# KiCad board q2v2.kicad_pcb (continued)
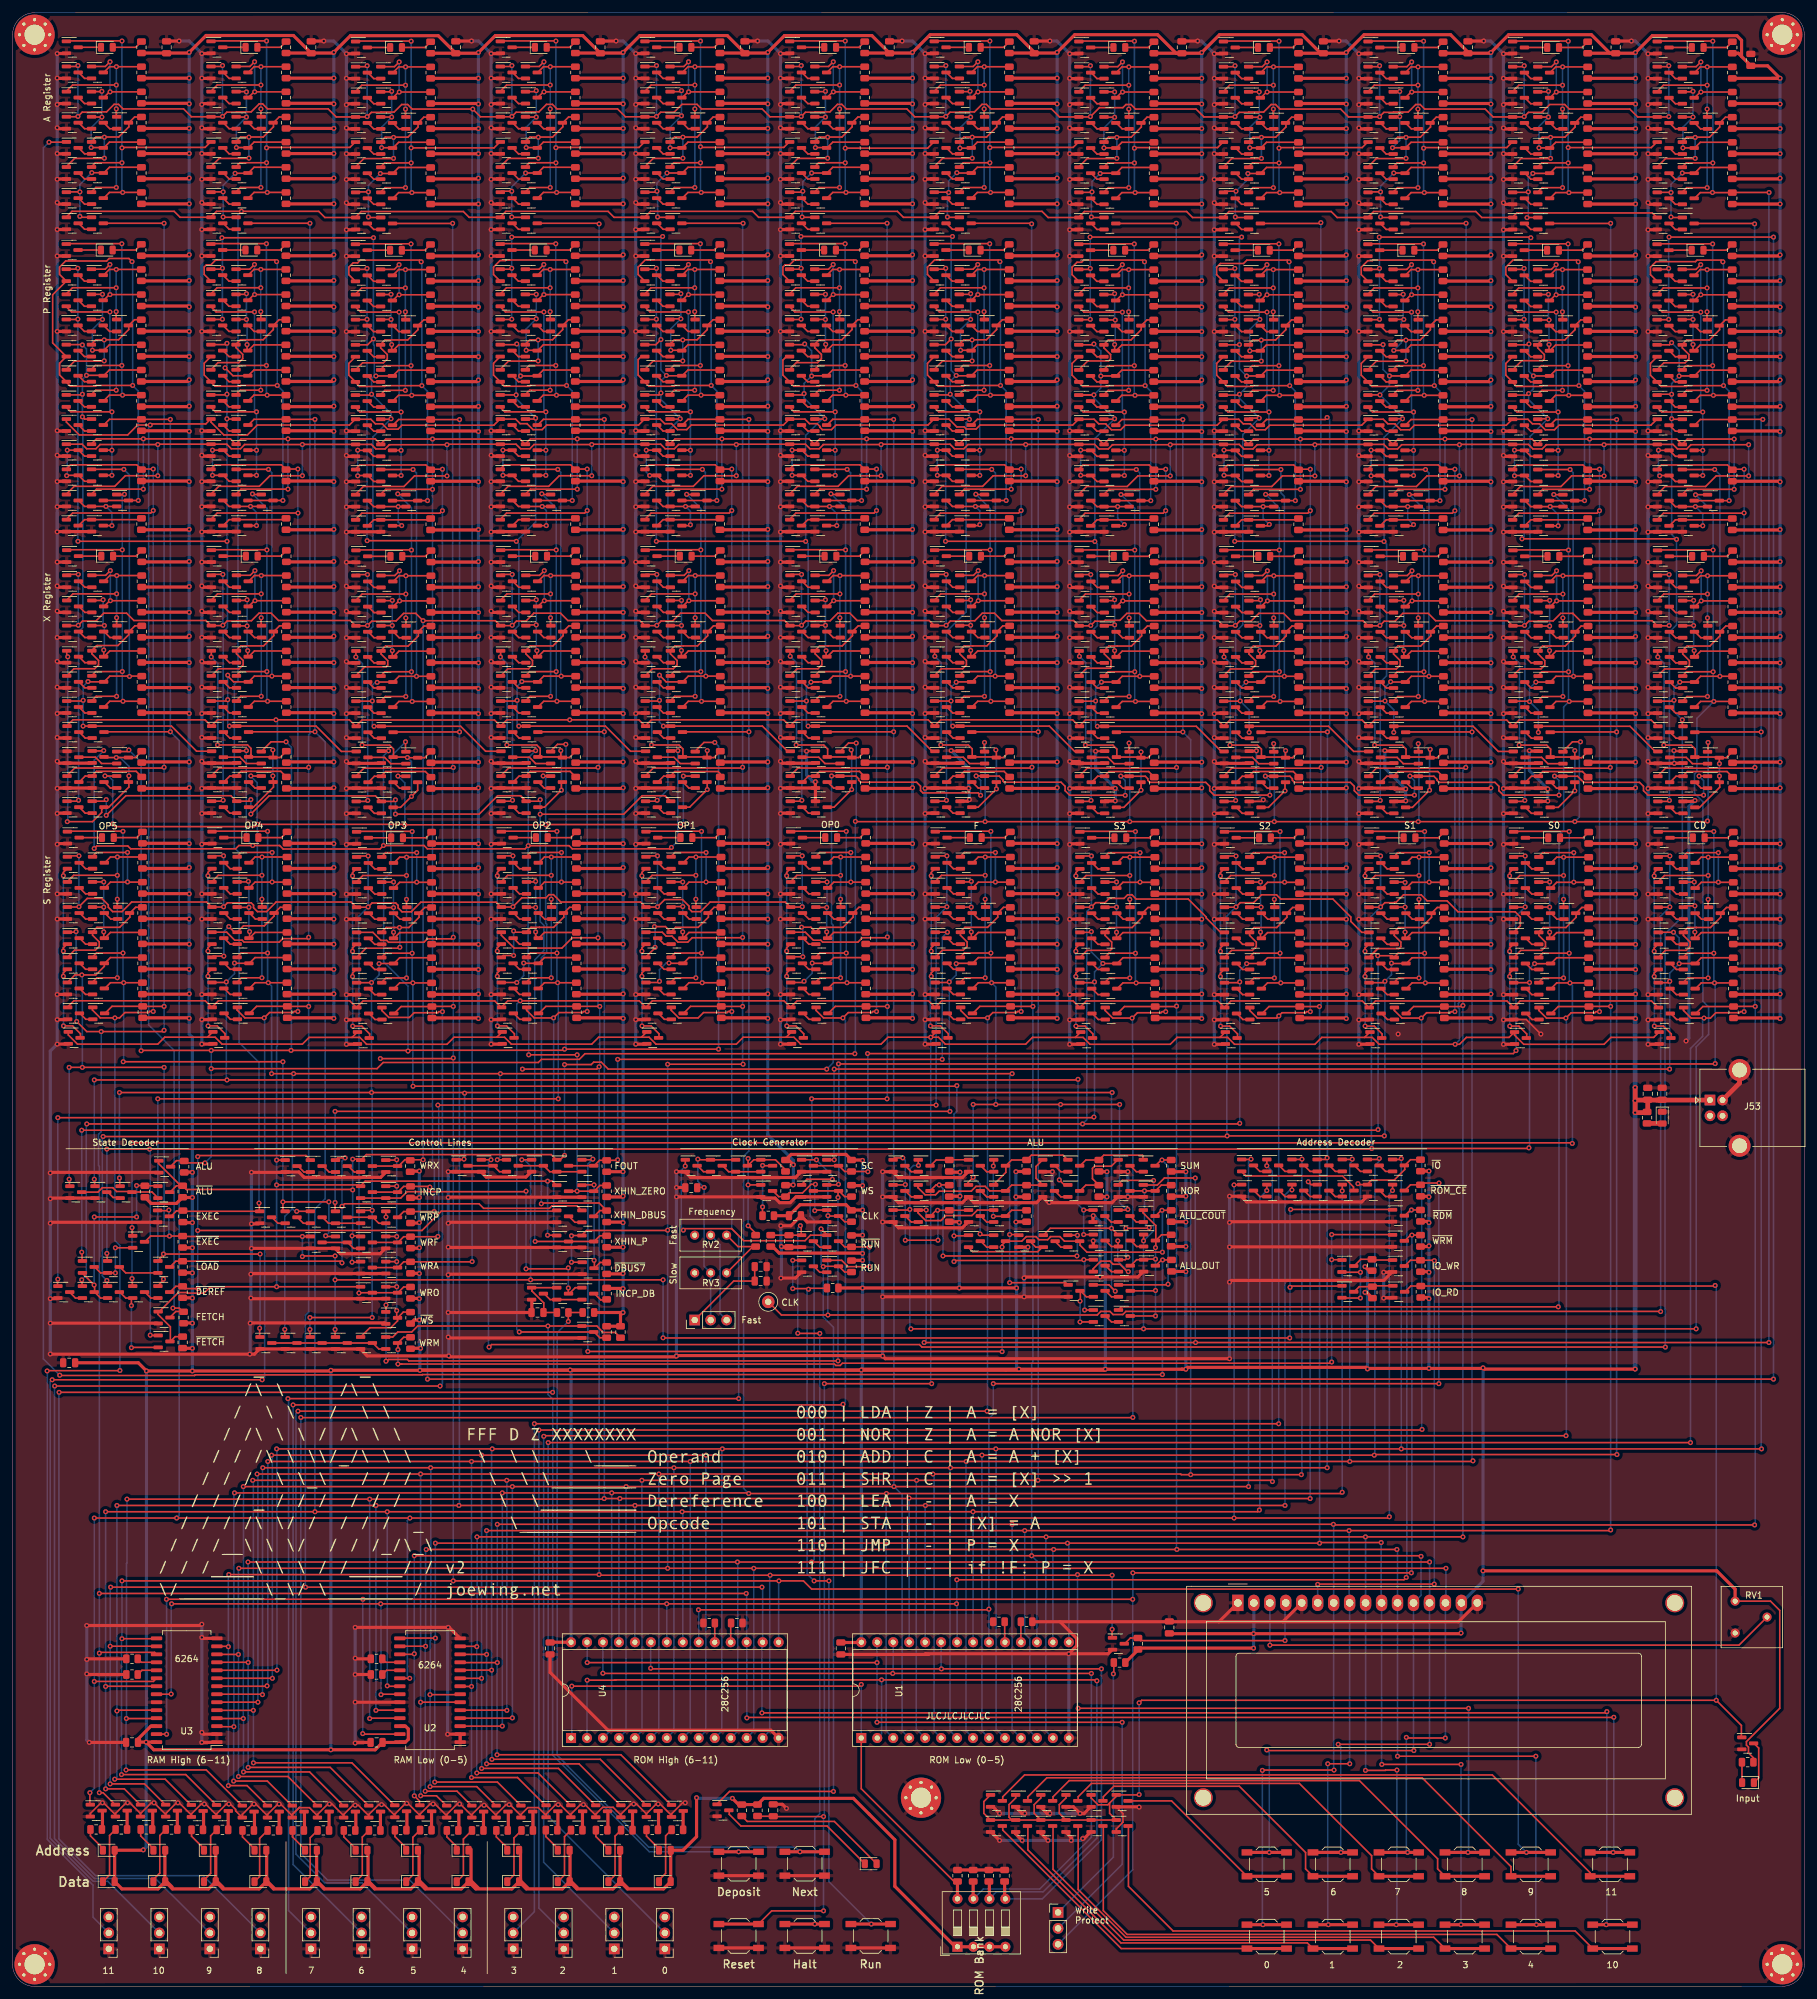
[diagram p0: board, top side]
## Placement (name value [footprint] x y rotation side) (continued)
Q278  2N7002  [SOT-23]  172.85 106.68 0 top
Q279  2N7002  [SOT-23]  161 118.58 0 top
Q280  2N7002  [SOT-23]  172.85 118.68 0 top
Q281  2N7002  [SOT-23]  168.85 110.68 0 top
Q282  2N7002  [SOT-23]  180.8 126.58 0 top
Q283  2N7002  [SOT-23]  176.8 126.58 0 top
Q284  2N7002-2  [SOT-23]  59.7 154.8 0 top
Q285  2N7002-2  [SOT-23]  55.7 154.8 0 top
Q286  2N7002  [SOT-23]  59.5 280.5 0 top
Q287  2N7002  [SOT-23]  55.5 280.5 0 top
Q288  2N7002  [SOT-23]  59.5 284.5 0 top
Q289  2N7002  [SOT-23]  59.5 300.5 0 top
Q290  2N7002  [SOT-23]  55.5 284.5 0 top
Q291  2N7002  [SOT-23]  55.5 300.5 0 top
Q292  2N7002-2  [SOT-23]  55.5 308.5 0 top
Q293  2N7002  [SOT-23]  59.5 288.5 0 top
Q294  2N7002  [SOT-23]  59.5 304.5 0 top
Q295  2N7002  [SOT-23]  55.5 288.5 0 top
Q296  2N7002  [SOT-23]  55.5 304.5 0 top
Q297  2N7002  [SOT-23]  63.5 296.5 0 top
Q298  2N7002  [SOT-23]  59.5 296.5 0 top
Q299  2N7002  [SOT-23]  55.5 296.5 0 top
Q300  2N7002  [SOT-23]  59.5 292.5 0 top
Q301  2N7002  [SOT-23]  55.5 292.5 0 top
Q302  2N7002  [SOT-23]  63.5 191.6 0 top
Q303  2N7002  [SOT-23]  59.6 199.55 0 top
Q304  2N7002  [SOT-23]  59.6 187.6 0 top
Q305  2N7002  [SOT-23]  63.5 195.5 0 top
Q306  2N7002  [SOT-23]  59.6 195.6 0 top
Q307  2N7002  [SOT-23]  59.6 191.6 0 top
Q308  2N7002  [SOT-23]  55.6 199.55 0 top
Q309  2N7002  [SOT-23]  55.6 187.6 0 top
Q310  2N7002  [SOT-23]  55.6 195.55 0 top
Q311  2N7002  [SOT-23]  55.6 191.6 0 top
Q312  2N7002  [SOT-23]  59.55 203.54 0 top
Q313  2N7002  [SOT-23]  59.55 219.54 0 top
Q314  2N7002  [SOT-23]  55.55 203.54 0 top
Q315  2N7002  [SOT-23]  55.55 219.54 0 top
Q316  2N7002-2  [SOT-23]  55.55 227.54 0 top
Q317  2N7002  [SOT-23]  59.55 207.54 0 top
Q318  2N7002  [SOT-23]  59.55 223.54 0 top
Q319  2N7002  [SOT-23]  55.55 207.54 0 top
Q320  2N7002  [SOT-23]  55.55 223.54 0 top
Q321  2N7002  [SOT-23]  63.55 215.54 0 top
Q322  2N7002  [SOT-23]  59.55 215.54 0 top
Q323  2N7002  [SOT-23]  55.55 215.54 0 top
Q324  2N7002  [SOT-23]  59.55 211.54 0 top
Q325  2N7002  [SOT-23]  55.55 211.54 0 top
Q326  2N7002  [SOT-23]  59.5 248.4 0 top
Q327  2N7002  [SOT-23]  55.5 248.4 0 top
Q328  2N7002  [SOT-23]  59.5 244.4 0 top
Q329  2N7002  [SOT-23]  59.5 240.4 0 top
Q330  2N7002  [SOT-23]  59.5 236.4 0 top
Q331  2N7002  [SOT-23]  63.5 236.4 0 top
Q332  2N7002-2  [SOT-23]  55.5 244.4 0 top
Q333  2N7002-2  [SOT-23]  55.5 240.4 0 top
Q334  2N7002-2  [SOT-23]  55.5 236.4 0 top
Q335  2N7002  [SOT-23]  59.5 232.4 0 top
Q336  2N7002-2  [SOT-23]  55.5 232.4 0 top
Q337  2N7002  [SOT-23]  59.48 252.24 0 top
Q338  2N7002  [SOT-23]  59.48 268.24 0 top
Q339  2N7002  [SOT-23]  55.48 252.24 0 top
Q340  2N7002  [SOT-23]  55.48 268.24 0 top
Q341  2N7002-2  [SOT-23]  55.48 276.24 0 top
Q342  2N7002  [SOT-23]  59.48 256.24 0 top
Q343  2N7002  [SOT-23]  59.48 272.24 0 top
Q344  2N7002  [SOT-23]  55.48 256.24 0 top
Q345  2N7002  [SOT-23]  55.48 272.24 0 top
Q346  2N7002  [SOT-23]  63.48 264.24 0 top
Q347  2N7002  [SOT-23]  59.48 264.24 0 top
Q348  2N7002  [SOT-23]  55.48 264.24 0 top
Q349  2N7002  [SOT-23]  59.48 260.24 0 top
Q350  2N7002  [SOT-23]  55.48 260.24 0 top
Q351  2N7002-2  [SOT-23]  124.85 150.92 0 top
Q352  2N7002-2  [SOT-23]  147.85 150.92 0 top
Q353  2N7002  [SOT-23]  59.66 158.76 0 top
Q354  2N7002  [SOT-23]  59.66 174.76 0 top
Q355  2N7002  [SOT-23]  55.66 158.76 0 top
Q356  2N7002  [SOT-23]  55.66 174.76 0 top
Q357  2N7002-2  [SOT-23]  55.66 182.76 0 top
Q358  2N7002  [SOT-23]  59.66 162.76 0 top
Q359  2N7002  [SOT-23]  59.66 178.76 0 top
Q360  2N7002  [SOT-23]  55.66 162.76 0 top
Q361  2N7002  [SOT-23]  55.66 178.76 0 top
Q362  2N7002  [SOT-23]  63.66 170.76 0 top
Q363  2N7002  [SOT-23]  59.66 170.76 0 top
Q364  2N7002  [SOT-23]  55.66 170.76 0 top
Q365  2N7002  [SOT-23]  59.66 166.76 0 top
Q366  2N7002  [SOT-23]  55.66 166.76 0 top
Q367  2N7002-2  [SOT-23]  82.72 154.82 0 top
Q368  2N7002-2  [SOT-23]  78.72 154.82 0 top
Q369  2N7002  [SOT-23]  82.53 280.52 0 top
Q370  2N7002  [SOT-23]  78.53 280.52 0 top
Q371  2N7002  [SOT-23]  82.53 284.52 0 top
Q372  2N7002  [SOT-23]  82.53 300.52 0 top
Q373  2N7002  [SOT-23]  78.53 284.52 0 top
Q374  2N7002  [SOT-23]  78.53 300.52 0 top
Q375  2N7002-2  [SOT-23]  78.53 308.52 0 top
Q376  2N7002  [SOT-23]  82.53 288.52 0 top
Q377  2N7002  [SOT-23]  82.53 304.52 0 top
Q378  2N7002  [SOT-23]  78.53 288.52 0 top
Q379  2N7002  [SOT-23]  78.53 304.52 0 top
Q380  2N7002  [SOT-23]  86.53 296.52 0 top
Q381  2N7002  [SOT-23]  82.53 296.52 0 top
Q382  2N7002  [SOT-23]  78.53 296.52 0 top
Q383  2N7002  [SOT-23]  82.53 292.52 0 top
Q384  2N7002  [SOT-23]  78.53 292.52 0 top
Q385  2N7002  [SOT-23]  86.53 191.62 0 top
Q386  2N7002  [SOT-23]  82.62 199.57 0 top
Q387  2N7002  [SOT-23]  82.63 187.62 0 top
Q388  2N7002  [SOT-23]  86.53 195.52 0 top
Q389  2N7002  [SOT-23]  82.62 195.62 0 top
Q390  2N7002  [SOT-23]  82.63 191.62 0 top
Q391  2N7002  [SOT-23]  78.62 199.57 0 top
Q392  2N7002  [SOT-23]  78.63 187.62 0 top
Q393  2N7002  [SOT-23]  78.63 195.57 0 top
Q394  2N7002  [SOT-23]  78.63 191.62 0 top
Q395  2N7002  [SOT-23]  82.57 203.56 0 top
Q396  2N7002  [SOT-23]  82.57 219.56 0 top
Q397  2N7002  [SOT-23]  78.57 203.56 0 top
Q398  2N7002  [SOT-23]  78.57 219.56 0 top
Q399  2N7002-2  [SOT-23]  78.57 227.56 0 top
Q400  2N7002  [SOT-23]  82.57 207.56 0 top
Q401  2N7002  [SOT-23]  82.57 223.56 0 top
Q402  2N7002  [SOT-23]  78.57 207.56 0 top
Q403  2N7002  [SOT-23]  78.57 223.56 0 top
Q404  2N7002  [SOT-23]  86.57 215.56 0 top
Q405  2N7002  [SOT-23]  82.57 215.56 0 top
Q406  2N7002  [SOT-23]  78.57 215.56 0 top
Q407  2N7002  [SOT-23]  82.57 211.56 0 top
Q408  2N7002  [SOT-23]  78.57 211.56 0 top
Q409  2N7002  [SOT-23]  82.53 248.42 0 top
Q410  2N7002  [SOT-23]  78.53 248.42 0 top
Q411  2N7002  [SOT-23]  82.53 244.42 0 top
Q412  2N7002  [SOT-23]  82.53 240.42 0 top
Q413  2N7002  [SOT-23]  82.53 236.42 0 top
Q414  2N7002  [SOT-23]  86.53 236.42 0 top
Q415  2N7002-2  [SOT-23]  78.53 244.42 0 top
Q416  2N7002-2  [SOT-23]  78.53 240.42 0 top
Q417  2N7002-2  [SOT-23]  78.53 236.42 0 top
Q418  2N7002  [SOT-23]  82.53 232.42 0 top
Q419  2N7002-2  [SOT-23]  78.53 232.42 0 top
Q420  2N7002  [SOT-23]  82.5 252.27 0 top
Q421  2N7002  [SOT-23]  82.5 268.27 0 top
Q422  2N7002  [SOT-23]  78.5 252.27 0 top
Q423  2N7002  [SOT-23]  78.5 268.27 0 top
Q424  2N7002-2  [SOT-23]  78.5 276.27 0 top
Q425  2N7002  [SOT-23]  82.5 256.27 0 top
Q426  2N7002  [SOT-23]  82.5 272.27 0 top
Q427  2N7002  [SOT-23]  78.5 256.27 0 top
Q428  2N7002  [SOT-23]  78.5 272.27 0 top
Q429  2N7002  [SOT-23]  86.5 264.27 0 top
Q430  2N7002  [SOT-23]  82.5 264.27 0 top
Q431  2N7002  [SOT-23]  78.5 264.27 0 top
Q432  2N7002  [SOT-23]  82.5 260.27 0 top
Q433  2N7002  [SOT-23]  78.5 260.27 0 top
Q434  2N7002-2  [SOT-23]  170.85 150.9 0 top
Q435  2N7002-2  [SOT-23]  193.85 150.9 0 top
Q436  2N7002  [SOT-23]  82.69 158.78 0 top
Q437  2N7002  [SOT-23]  82.69 174.78 0 top
Q438  2N7002  [SOT-23]  78.69 158.78 0 top
Q439  2N7002  [SOT-23]  78.69 174.78 0 top
Q440  2N7002-2  [SOT-23]  78.69 182.78 0 top
Q441  2N7002  [SOT-23]  82.69 162.78 0 top
Q442  2N7002  [SOT-23]  82.69 178.78 0 top
Q443  2N7002  [SOT-23]  78.69 162.78 0 top
Q444  2N7002  [SOT-23]  78.69 178.78 0 top
Q445  2N7002  [SOT-23]  86.69 170.78 0 top
Q446  2N7002  [SOT-23]  82.69 170.78 0 top
Q447  2N7002  [SOT-23]  78.69 170.78 0 top
Q448  2N7002  [SOT-23]  82.69 166.78 0 top
Q449  2N7002  [SOT-23]  78.69 166.78 0 top
Q450  2N7002-2  [SOT-23]  105.72 154.82 0 top
Q451  2N7002-2  [SOT-23]  101.72 154.82 0 top
Q452  2N7002  [SOT-23]  105.53 280.52 0 top
Q453  2N7002  [SOT-23]  101.53 280.52 0 top
Q454  2N7002  [SOT-23]  105.53 284.52 0 top
Q455  2N7002  [SOT-23]  105.53 300.52 0 top
Q456  2N7002  [SOT-23]  101.53 284.52 0 top
Q457  2N7002  [SOT-23]  101.53 300.52 0 top
Q458  2N7002-2  [SOT-23]  101.53 308.52 0 top
Q459  2N7002  [SOT-23]  105.53 288.52 0 top
Q460  2N7002  [SOT-23]  105.53 304.52 0 top
Q461  2N7002  [SOT-23]  101.53 288.52 0 top
Q462  2N7002  [SOT-23]  101.53 304.52 0 top
Q463  2N7002  [SOT-23]  109.53 296.52 0 top
Q464  2N7002  [SOT-23]  105.53 296.52 0 top
Q465  2N7002  [SOT-23]  101.53 296.52 0 top
Q466  2N7002  [SOT-23]  105.53 292.52 0 top
Q467  2N7002  [SOT-23]  101.53 292.52 0 top
Q468  2N7002  [SOT-23]  109.53 191.62 0 top
Q469  2N7002  [SOT-23]  105.62 199.57 0 top
Q470  2N7002  [SOT-23]  105.63 187.62 0 top
Q471  2N7002  [SOT-23]  109.53 195.52 0 top
Q472  2N7002  [SOT-23]  105.62 195.62 0 top
Q473  2N7002  [SOT-23]  105.63 191.62 0 top
Q474  2N7002  [SOT-23]  101.62 199.57 0 top
Q475  2N7002  [SOT-23]  101.63 187.62 0 top
Q476  2N7002  [SOT-23]  101.63 195.57 0 top
Q477  2N7002  [SOT-23]  101.63 191.62 0 top
Q478  2N7002  [SOT-23]  105.57 203.56 0 top
Q479  2N7002  [SOT-23]  105.57 219.56 0 top
Q480  2N7002  [SOT-23]  101.57 203.56 0 top
Q481  2N7002  [SOT-23]  101.57 219.56 0 top
Q482  2N7002-2  [SOT-23]  101.57 227.56 0 top
Q483  2N7002  [SOT-23]  105.57 207.56 0 top
Q484  2N7002  [SOT-23]  105.57 223.56 0 top
Q485  2N7002  [SOT-23]  101.57 207.56 0 top
Q486  2N7002  [SOT-23]  101.57 223.56 0 top
Q487  2N7002  [SOT-23]  109.57 215.56 0 top
Q488  2N7002  [SOT-23]  105.57 215.56 0 top
Q489  2N7002  [SOT-23]  101.57 215.56 0 top
Q490  2N7002  [SOT-23]  105.57 211.56 0 top
Q491  2N7002  [SOT-23]  101.57 211.56 0 top
Q492  2N7002  [SOT-23]  105.53 248.42 0 top
Q493  2N7002  [SOT-23]  101.53 248.42 0 top
Q494  2N7002  [SOT-23]  105.53 244.42 0 top
Q495  2N7002  [SOT-23]  105.53 240.42 0 top
Q496  2N7002  [SOT-23]  105.53 236.42 0 top
Q497  2N7002  [SOT-23]  109.53 236.42 0 top
Q498  2N7002-2  [SOT-23]  101.53 244.42 0 top
Q499  2N7002-2  [SOT-23]  101.53 240.42 0 top
Q500  2N7002-2  [SOT-23]  101.53 236.42 0 top
Q501  2N7002  [SOT-23]  105.53 232.42 0 top
Q502  2N7002-2  [SOT-23]  101.53 232.42 0 top
Q503  2N7002  [SOT-23]  105.5 252.27 0 top
Q504  2N7002  [SOT-23]  105.5 268.27 0 top
Q505  2N7002  [SOT-23]  101.5 252.27 0 top
Q506  2N7002  [SOT-23]  101.5 268.27 0 top
Q507  2N7002-2  [SOT-23]  101.5 276.27 0 top
Q508  2N7002  [SOT-23]  105.5 256.27 0 top
Q509  2N7002  [SOT-23]  105.5 272.27 0 top
Q510  2N7002  [SOT-23]  101.5 256.27 0 top
Q511  2N7002  [SOT-23]  101.5 272.27 0 top
Q512  2N7002  [SOT-23]  109.5 264.27 0 top
Q513  2N7002  [SOT-23]  105.5 264.27 0 top
Q514  2N7002  [SOT-23]  101.5 264.27 0 top
Q515  2N7002  [SOT-23]  105.5 260.27 0 top
Q516  2N7002  [SOT-23]  101.5 260.27 0 top
Q517  2N7002-2  [SOT-23]  216.85 150.9 0 top
Q518  2N7002-2  [SOT-23]  239.85 150.9 0 top
Q519  2N7002  [SOT-23]  105.69 158.78 0 top
Q520  2N7002  [SOT-23]  105.69 174.78 0 top
Q521  2N7002  [SOT-23]  101.69 158.78 0 top
Q522  2N7002  [SOT-23]  101.69 174.78 0 top
Q523  2N7002-2  [SOT-23]  101.69 182.78 0 top
Q524  2N7002  [SOT-23]  105.69 162.78 0 top
Q525  2N7002  [SOT-23]  105.69 178.78 0 top
Q526  2N7002  [SOT-23]  101.69 162.78 0 top
Q527  2N7002  [SOT-23]  101.69 178.78 0 top
Q528  2N7002  [SOT-23]  109.69 170.78 0 top
Q529  2N7002  [SOT-23]  105.69 170.78 0 top
Q530  2N7002  [SOT-23]  101.69 170.78 0 top
Q531  2N7002  [SOT-23]  105.69 166.78 0 top
Q532  2N7002  [SOT-23]  101.69 166.78 0 top
Q533  2N7002-2  [SOT-23]  128.75 154.82 0 top
Q534  2N7002-2  [SOT-23]  124.75 154.82 0 top
Q535  2N7002  [SOT-23]  128.55 280.52 0 top
Q536  2N7002  [SOT-23]  124.55 280.52 0 top
Q537  2N7002  [SOT-23]  128.55 284.52 0 top
Q538  2N7002  [SOT-23]  128.55 300.52 0 top
Q539  2N7002  [SOT-23]  124.55 284.52 0 top
Q540  2N7002  [SOT-23]  124.55 300.52 0 top
Q541  2N7002-2  [SOT-23]  124.55 308.52 0 top
Q542  2N7002  [SOT-23]  128.55 288.52 0 top
Q543  2N7002  [SOT-23]  128.55 304.52 0 top
Q544  2N7002  [SOT-23]  124.55 288.52 0 top
Q545  2N7002  [SOT-23]  124.55 304.52 0 top
Q546  2N7002  [SOT-23]  132.55 296.52 0 top
Q547  2N7002  [SOT-23]  128.55 296.52 0 top
Q548  2N7002  [SOT-23]  124.55 296.52 0 top
Q549  2N7002  [SOT-23]  128.55 292.52 0 top
Q550  2N7002  [SOT-23]  124.55 292.52 0 top
Q551  2N7002  [SOT-23]  132.55 191.62 0 top
Q552  2N7002  [SOT-23]  128.65 199.57 0 top
Q553  2N7002  [SOT-23]  128.65 187.62 0 top
Q554  2N7002  [SOT-23]  132.55 195.52 0 top
Q555  2N7002  [SOT-23]  128.65 195.62 0 top
Q556  2N7002  [SOT-23]  128.65 191.62 0 top
Q557  2N7002  [SOT-23]  124.65 199.57 0 top
Q558  2N7002  [SOT-23]  124.65 187.62 0 top
Q559  2N7002  [SOT-23]  124.65 195.57 0 top
Q560  2N7002  [SOT-23]  124.65 191.62 0 top
Q561  2N7002  [SOT-23]  128.6 203.56 0 top
Q562  2N7002  [SOT-23]  128.6 219.56 0 top
Q563  2N7002  [SOT-23]  124.6 203.56 0 top
Q564  2N7002  [SOT-23]  124.6 219.56 0 top
Q565  2N7002-2  [SOT-23]  124.6 227.56 0 top
Q566  2N7002  [SOT-23]  128.6 207.56 0 top
Q567  2N7002  [SOT-23]  128.6 223.56 0 top
Q568  2N7002  [SOT-23]  124.6 207.56 0 top
Q569  2N7002  [SOT-23]  124.6 223.56 0 top
Q570  2N7002  [SOT-23]  132.6 215.56 0 top
Q571  2N7002  [SOT-23]  128.6 215.56 0 top
Q572  2N7002  [SOT-23]  124.6 215.56 0 top
Q573  2N7002  [SOT-23]  128.6 211.56 0 top
Q574  2N7002  [SOT-23]  124.6 211.56 0 top
Q575  2N7002  [SOT-23]  128.55 248.42 0 top
Q576  2N7002  [SOT-23]  124.55 248.42 0 top
Q577  2N7002  [SOT-23]  128.55 244.42 0 top
Q578  2N7002  [SOT-23]  128.55 240.42 0 top
Q579  2N7002  [SOT-23]  128.55 236.42 0 top
Q580  2N7002  [SOT-23]  132.55 236.42 0 top
Q581  2N7002-2  [SOT-23]  124.55 244.42 0 top
Q582  2N7002-2  [SOT-23]  124.55 240.42 0 top
Q583  2N7002-2  [SOT-23]  124.55 236.42 0 top
Q584  2N7002  [SOT-23]  128.55 232.42 0 top
Q585  2N7002-2  [SOT-23]  124.55 232.42 0 top
Q586  2N7002  [SOT-23]  128.53 252.27 0 top
Q587  2N7002  [SOT-23]  128.53 268.27 0 top
Q588  2N7002  [SOT-23]  124.53 252.27 0 top
Q589  2N7002  [SOT-23]  124.53 268.27 0 top
Q590  2N7002-2  [SOT-23]  124.53 276.27 0 top
Q591  2N7002  [SOT-23]  128.53 256.27 0 top
Q592  2N7002  [SOT-23]  128.53 272.27 0 top
Q593  2N7002  [SOT-23]  124.53 256.27 0 top
Q594  2N7002  [SOT-23]  124.53 272.27 0 top
Q595  2N7002  [SOT-23]  132.53 264.27 0 top
Q596  2N7002  [SOT-23]  128.53 264.27 0 top
Q597  2N7002  [SOT-23]  124.53 264.27 0 top
Q598  2N7002  [SOT-23]  128.53 260.27 0 top
Q599  2N7002  [SOT-23]  124.53 260.27 0 top
Q600  2N7002-2  [SOT-23]  262.85 150.9 0 top
Q601  2N7002  [SOT-23]  220.45 130.63 0 top
Q602  2N7002  [SOT-23]  128.71 158.78 0 top
Q603  2N7002  [SOT-23]  128.71 174.78 0 top
Q604  2N7002  [SOT-23]  124.71 158.78 0 top
Q605  2N7002  [SOT-23]  124.71 174.78 0 top
Q606  2N7002-2  [SOT-23]  124.71 182.78 0 top
Q607  2N7002  [SOT-23]  128.71 162.78 0 top
Q608  2N7002  [SOT-23]  128.71 178.78 0 top
Q609  2N7002  [SOT-23]  124.71 162.78 0 top
Q610  2N7002  [SOT-23]  124.71 178.78 0 top
Q611  2N7002  [SOT-23]  132.71 170.78 0 top
Q612  2N7002  [SOT-23]  128.71 170.78 0 top
Q613  2N7002  [SOT-23]  124.71 170.78 0 top
Q614  2N7002  [SOT-23]  128.71 166.78 0 top
Q615  2N7002  [SOT-23]  124.71 166.78 0 top
Q616  2N7002-2  [SOT-23]  151.75 154.82 0 top
Q617  2N7002-2  [SOT-23]  147.75 154.82 0 top
Q618  2N7002  [SOT-23]  151.55 280.52 0 top
Q619  2N7002  [SOT-23]  147.55 280.52 0 top
Q620  2N7002  [SOT-23]  151.55 284.52 0 top
Q621  2N7002  [SOT-23]  151.55 300.52 0 top
Q622  2N7002  [SOT-23]  147.55 284.52 0 top
Q623  2N7002  [SOT-23]  147.55 300.52 0 top
Q624  2N7002-2  [SOT-23]  147.55 308.52 0 top
Q625  2N7002  [SOT-23]  151.55 288.52 0 top
Q626  2N7002  [SOT-23]  151.55 304.52 0 top
Q627  2N7002  [SOT-23]  147.55 288.52 0 top
Q628  2N7002  [SOT-23]  147.55 304.52 0 top
Q629  2N7002  [SOT-23]  155.55 296.52 0 top
Q630  2N7002  [SOT-23]  151.55 296.52 0 top
Q631  2N7002  [SOT-23]  147.55 296.52 0 top
Q632  2N7002  [SOT-23]  151.55 292.52 0 top
Q633  2N7002  [SOT-23]  147.55 292.52 0 top
Q634  2N7002  [SOT-23]  155.55 191.62 0 top
Q635  2N7002  [SOT-23]  151.65 199.57 0 top
Q636  2N7002  [SOT-23]  151.65 187.62 0 top
Q637  2N7002  [SOT-23]  155.55 195.52 0 top
Q638  2N7002  [SOT-23]  151.65 195.62 0 top
Q639  2N7002  [SOT-23]  151.65 191.62 0 top
Q640  2N7002  [SOT-23]  147.65 199.57 0 top
Q641  2N7002  [SOT-23]  147.65 187.62 0 top
Q642  2N7002  [SOT-23]  147.65 195.57 0 top
Q643  2N7002  [SOT-23]  147.65 191.62 0 top
Q644  2N7002  [SOT-23]  151.6 203.56 0 top
Q645  2N7002  [SOT-23]  151.6 219.56 0 top
Q646  2N7002  [SOT-23]  147.6 203.56 0 top
Q647  2N7002  [SOT-23]  147.6 219.56 0 top
Q648  2N7002-2  [SOT-23]  147.6 227.56 0 top
Q649  2N7002  [SOT-23]  151.6 207.56 0 top
Q650  2N7002  [SOT-23]  151.6 223.56 0 top
Q651  2N7002  [SOT-23]  147.6 207.56 0 top
Q652  2N7002  [SOT-23]  147.6 223.56 0 top
Q653  2N7002  [SOT-23]  155.6 215.56 0 top
Q654  2N7002  [SOT-23]  151.6 215.56 0 top
Q655  2N7002  [SOT-23]  147.6 215.56 0 top
Q656  2N7002  [SOT-23]  151.6 211.56 0 top
Q657  2N7002  [SOT-23]  147.6 211.56 0 top
Q658  2N7002  [SOT-23]  151.55 248.42 0 top
Q659  2N7002  [SOT-23]  147.55 248.42 0 top
Q660  2N7002  [SOT-23]  151.55 244.42 0 top
Q661  2N7002  [SOT-23]  151.55 240.42 0 top
Q662  2N7002  [SOT-23]  151.55 236.42 0 top
Q663  2N7002  [SOT-23]  155.55 236.42 0 top
Q664  2N7002-2  [SOT-23]  147.55 244.42 0 top
Q665  2N7002-2  [SOT-23]  147.55 240.42 0 top
Q666  2N7002-2  [SOT-23]  147.55 236.42 0 top
Q667  2N7002  [SOT-23]  151.55 232.42 0 top
Q668  2N7002-2  [SOT-23]  147.55 232.42 0 top
Q669  2N7002  [SOT-23]  151.53 252.27 0 top
Q670  2N7002  [SOT-23]  151.53 268.27 0 top
Q671  2N7002  [SOT-23]  147.53 252.27 0 top
Q672  2N7002  [SOT-23]  147.53 268.27 0 top
Q673  2N7002-2  [SOT-23]  147.53 276.27 0 top
Q674  2N7002  [SOT-23]  151.53 256.27 0 top
Q675  2N7002  [SOT-23]  151.53 272.27 0 top
Q676  2N7002  [SOT-23]  147.53 256.27 0 top
Q677  2N7002  [SOT-23]  147.53 272.27 0 top
Q678  2N7002  [SOT-23]  155.53 264.27 0 top
Q679  2N7002  [SOT-23]  151.53 264.27 0 top
Q680  2N7002  [SOT-23]  147.53 264.27 0 top
Q681  2N7002  [SOT-23]  151.53 260.27 0 top
Q682  2N7002  [SOT-23]  147.53 260.27 0 top
Q683  2N7002  [SOT-23]  216.45 130.63 0 top
Q684  2N7002  [SOT-23]  212.45 130.63 0 top
Q685  2N7002  [SOT-23]  151.71 158.78 0 top
Q686  2N7002  [SOT-23]  151.71 174.78 0 top
Q687  2N7002  [SOT-23]  147.71 158.78 0 top
Q688  2N7002  [SOT-23]  147.71 174.78 0 top
Q689  2N7002-2  [SOT-23]  147.71 182.78 0 top
Q690  2N7002  [SOT-23]  151.71 162.78 0 top
Q691  2N7002  [SOT-23]  151.71 178.78 0 top
Q692  2N7002  [SOT-23]  147.71 162.78 0 top
Q693  2N7002  [SOT-23]  147.71 178.78 0 top
Q694  2N7002  [SOT-23]  155.71 170.78 0 top
Q695  2N7002  [SOT-23]  151.71 170.78 0 top
Q696  2N7002  [SOT-23]  147.71 170.78 0 top
Q697  2N7002  [SOT-23]  151.71 166.78 0 top
Q698  2N7002  [SOT-23]  147.71 166.78 0 top
Q699  2N7002-2  [SOT-23]  174.75 154.8 0 top
Q700  2N7002-2  [SOT-23]  170.75 154.8 0 top
Q701  2N7002  [SOT-23]  174.55 280.5 0 top
Q702  2N7002  [SOT-23]  170.55 280.5 0 top
Q703  2N7002  [SOT-23]  174.55 284.5 0 top
Q704  2N7002  [SOT-23]  174.55 300.5 0 top
Q705  2N7002  [SOT-23]  170.55 284.5 0 top
Q706  2N7002  [SOT-23]  170.55 300.5 0 top
Q707  2N7002-2  [SOT-23]  170.55 308.5 0 top
Q708  2N7002  [SOT-23]  174.55 288.5 0 top
Q709  2N7002  [SOT-23]  174.55 304.5 0 top
Q710  2N7002  [SOT-23]  170.55 288.5 0 top
Q711  2N7002  [SOT-23]  170.55 304.5 0 top
Q712  2N7002  [SOT-23]  178.55 296.5 0 top
Q713  2N7002  [SOT-23]  174.55 296.5 0 top
Q714  2N7002  [SOT-23]  170.55 296.5 0 top
Q715  2N7002  [SOT-23]  174.55 292.5 0 top
Q716  2N7002  [SOT-23]  170.55 292.5 0 top
Q717  2N7002  [SOT-23]  178.55 191.6 0 top
Q718  2N7002  [SOT-23]  174.65 199.55 0 top
Q719  2N7002  [SOT-23]  174.65 187.6 0 top
Q720  2N7002  [SOT-23]  178.55 195.5 0 top
Q721  2N7002  [SOT-23]  174.65 195.6 0 top
Q722  2N7002  [SOT-23]  174.65 191.6 0 top
Q723  2N7002  [SOT-23]  170.65 199.55 0 top
Q724  2N7002  [SOT-23]  170.65 187.6 0 top
Q725  2N7002  [SOT-23]  170.65 195.55 0 top
Q726  2N7002  [SOT-23]  170.65 191.6 0 top
Q727  2N7002  [SOT-23]  174.6 203.54 0 top
Q728  2N7002  [SOT-23]  174.6 219.54 0 top
Q729  2N7002  [SOT-23]  170.6 203.54 0 top
Q730  2N7002  [SOT-23]  170.6 219.54 0 top
Q731  2N7002-2  [SOT-23]  170.6 227.54 0 top
Q732  2N7002  [SOT-23]  174.6 207.54 0 top
Q733  2N7002  [SOT-23]  174.6 223.54 0 top
Q734  2N7002  [SOT-23]  170.6 207.54 0 top
Q735  2N7002  [SOT-23]  170.6 223.54 0 top
Q736  2N7002  [SOT-23]  178.6 215.54 0 top
Q737  2N7002  [SOT-23]  174.6 215.54 0 top
Q738  2N7002  [SOT-23]  170.6 215.54 0 top
Q739  2N7002  [SOT-23]  174.6 211.54 0 top
Q740  2N7002  [SOT-23]  170.6 211.54 0 top
Q741  2N7002  [SOT-23]  174.55 248.4 0 top
Q742  2N7002  [SOT-23]  170.55 248.4 0 top
Q743  2N7002  [SOT-23]  174.55 244.4 0 top
Q744  2N7002  [SOT-23]  174.55 240.4 0 top
Q745  2N7002  [SOT-23]  174.55 236.4 0 top
Q746  2N7002  [SOT-23]  178.55 236.4 0 top
Q747  2N7002-2  [SOT-23]  170.55 244.4 0 top
Q748  2N7002-2  [SOT-23]  170.55 240.4 0 top
Q749  2N7002-2  [SOT-23]  170.55 236.4 0 top
Q750  2N7002  [SOT-23]  174.55 232.4 0 top
Q751  2N7002-2  [SOT-23]  170.55 232.4 0 top
Q752  2N7002  [SOT-23]  174.53 252.24 0 top
Q753  2N7002  [SOT-23]  174.53 268.24 0 top
Q754  2N7002  [SOT-23]  170.53 252.24 0 top
Q755  2N7002  [SOT-23]  170.53 268.24 0 top
Q756  2N7002-2  [SOT-23]  170.53 276.24 0 top
Q757  2N7002  [SOT-23]  174.53 256.24 0 top
Q758  2N7002  [SOT-23]  174.53 272.24 0 top
Q759  2N7002  [SOT-23]  170.53 256.24 0 top
Q760  2N7002  [SOT-23]  170.53 272.24 0 top
Q761  2N7002  [SOT-23]  178.53 264.24 0 top
Q762  2N7002  [SOT-23]  174.53 264.24 0 top
Q763  2N7002  [SOT-23]  170.53 264.24 0 top
Q764  2N7002  [SOT-23]  174.53 260.24 0 top
Q765  2N7002  [SOT-23]  170.53 260.24 0 top
Q766  2N7002  [SOT-23]  208.45 130.63 0 top
Q767  2N7002  [SOT-23]  204.45 130.63 0 top
Q768  2N7002  [SOT-23]  174.71 158.76 0 top
Q769  2N7002  [SOT-23]  174.71 174.76 0 top
Q770  2N7002  [SOT-23]  170.71 158.76 0 top
Q771  2N7002  [SOT-23]  170.71 174.76 0 top
Q772  2N7002-2  [SOT-23]  170.71 182.76 0 top
Q773  2N7002  [SOT-23]  174.71 162.76 0 top
Q774  2N7002  [SOT-23]  174.71 178.76 0 top
Q775  2N7002  [SOT-23]  170.71 162.76 0 top
Q776  2N7002  [SOT-23]  170.71 178.76 0 top
Q777  2N7002  [SOT-23]  178.71 170.76 0 top
Q778  2N7002  [SOT-23]  174.71 170.76 0 top
Q779  2N7002  [SOT-23]  170.71 170.76 0 top
Q780  2N7002  [SOT-23]  174.71 166.76 0 top
Q781  2N7002  [SOT-23]  170.71 166.76 0 top
Q782  2N7002-2  [SOT-23]  197.75 154.8 0 top
Q783  2N7002-2  [SOT-23]  193.75 154.8 0 top
Q784  2N7002  [SOT-23]  197.55 280.5 0 top
Q785  2N7002  [SOT-23]  193.55 280.5 0 top
Q786  2N7002  [SOT-23]  197.55 284.5 0 top
Q787  2N7002  [SOT-23]  197.55 300.5 0 top
Q788  2N7002  [SOT-23]  193.55 284.5 0 top
Q789  2N7002  [SOT-23]  193.55 300.5 0 top
Q790  2N7002-2  [SOT-23]  193.55 308.5 0 top
Q791  2N7002  [SOT-23]  197.55 288.5 0 top
Q792  2N7002  [SOT-23]  197.55 304.5 0 top
Q793  2N7002  [SOT-23]  193.55 288.5 0 top
Q794  2N7002  [SOT-23]  193.55 304.5 0 top
Q795  2N7002  [SOT-23]  201.55 296.5 0 top
Q796  2N7002  [SOT-23]  197.55 296.5 0 top
Q797  2N7002  [SOT-23]  193.55 296.5 0 top
Q798  2N7002  [SOT-23]  197.55 292.5 0 top
Q799  2N7002  [SOT-23]  193.55 292.5 0 top
Q800  2N7002  [SOT-23]  201.55 191.6 0 top
Q801  2N7002  [SOT-23]  197.65 199.55 0 top
Q802  2N7002  [SOT-23]  197.65 187.6 0 top
Q803  2N7002  [SOT-23]  201.55 195.5 0 top
Q804  2N7002  [SOT-23]  197.65 195.6 0 top
Q805  2N7002  [SOT-23]  197.65 191.6 0 top
Q806  2N7002  [SOT-23]  193.65 199.55 0 top
Q807  2N7002  [SOT-23]  193.65 187.6 0 top
Q808  2N7002  [SOT-23]  193.65 195.55 0 top
Q809  2N7002  [SOT-23]  193.65 191.6 0 top
Q810  2N7002  [SOT-23]  197.6 203.54 0 top
Q811  2N7002  [SOT-23]  197.6 219.54 0 top
Q812  2N7002  [SOT-23]  193.6 203.54 0 top
Q813  2N7002  [SOT-23]  193.6 219.54 0 top
Q814  2N7002-2  [SOT-23]  193.6 227.54 0 top
Q815  2N7002  [SOT-23]  197.6 207.54 0 top
Q816  2N7002  [SOT-23]  197.6 223.54 0 top
Q817  2N7002  [SOT-23]  193.6 207.54 0 top
Q818  2N7002  [SOT-23]  193.6 223.54 0 top
Q819  2N7002  [SOT-23]  201.6 215.54 0 top
Q820  2N7002  [SOT-23]  197.6 215.54 0 top
Q821  2N7002  [SOT-23]  193.6 215.54 0 top
Q822  2N7002  [SOT-23]  197.6 211.54 0 top
Q823  2N7002  [SOT-23]  193.6 211.54 0 top
Q824  2N7002  [SOT-23]  197.55 248.4 0 top
Q825  2N7002  [SOT-23]  193.55 248.4 0 top
Q826  2N7002  [SOT-23]  197.55 244.4 0 top
Q827  2N7002  [SOT-23]  197.55 240.4 0 top
Q828  2N7002  [SOT-23]  197.55 236.4 0 top
Q829  2N7002  [SOT-23]  201.55 236.4 0 top
Q830  2N7002-2  [SOT-23]  193.55 244.4 0 top
Q831  2N7002-2  [SOT-23]  193.55 240.4 0 top
Q832  2N7002-2  [SOT-23]  193.55 236.4 0 top
Q833  2N7002  [SOT-23]  197.55 232.4 0 top
Q834  2N7002-2  [SOT-23]  193.55 232.4 0 top
Q835  2N7002  [SOT-23]  197.53 252.24 0 top
Q836  2N7002  [SOT-23]  197.53 268.24 0 top
Q837  2N7002  [SOT-23]  193.53 252.24 0 top
Q838  2N7002  [SOT-23]  193.53 268.24 0 top
Q839  2N7002-2  [SOT-23]  193.53 276.24 0 top
Q840  2N7002  [SOT-23]  197.53 256.24 0 top
Q841  2N7002  [SOT-23]  197.53 272.24 0 top
Q842  2N7002  [SOT-23]  193.53 256.24 0 top
Q843  2N7002  [SOT-23]  193.53 272.24 0 top
Q844  2N7002  [SOT-23]  201.53 264.24 0 top
Q845  2N7002  [SOT-23]  197.53 264.24 0 top
Q846  2N7002  [SOT-23]  193.53 264.24 0 top
Q847  2N7002  [SOT-23]  197.53 260.24 0 top
Q848  2N7002  [SOT-23]  193.53 260.24 0 top
Q849  2N7002  [SOT-23]  200.45 130.63 0 top
Q850  2N7002  [SOT-23]  196.45 130.63 0 top
Q851  2N7002  [SOT-23]  197.71 158.76 0 top
Q852  2N7002  [SOT-23]  197.71 174.76 0 top
Q853  2N7002  [SOT-23]  193.71 158.76 0 top
Q854  2N7002  [SOT-23]  193.71 174.76 0 top
Q855  2N7002-2  [SOT-23]  193.71 182.76 0 top
Q856  2N7002  [SOT-23]  197.71 162.76 0 top
Q857  2N7002  [SOT-23]  197.71 178.76 0 top
Q858  2N7002  [SOT-23]  193.71 162.76 0 top
Q859  2N7002  [SOT-23]  193.71 178.76 0 top
Q860  2N7002  [SOT-23]  201.71 170.76 0 top
Q861  2N7002  [SOT-23]  197.71 170.76 0 top
Q862  2N7002  [SOT-23]  193.71 170.76 0 top
Q863  2N7002  [SOT-23]  197.71 166.76 0 top
Q864  2N7002  [SOT-23]  193.71 166.76 0 top
Q865  2N7002-2  [SOT-23]  220.75 154.8 0 top
Q866  2N7002-2  [SOT-23]  216.75 154.8 0 top
Q867  2N7002  [SOT-23]  220.55 280.5 0 top
Q868  2N7002  [SOT-23]  216.55 280.5 0 top
Q869  2N7002  [SOT-23]  220.55 284.5 0 top
Q870  2N7002  [SOT-23]  220.55 300.5 0 top
Q871  2N7002  [SOT-23]  216.55 284.5 0 top
Q872  2N7002  [SOT-23]  216.55 300.5 0 top
Q873  2N7002-2  [SOT-23]  216.55 308.5 0 top
Q874  2N7002  [SOT-23]  220.55 288.5 0 top
Q875  2N7002  [SOT-23]  220.55 304.5 0 top
Q876  2N7002  [SOT-23]  216.55 288.5 0 top
Q877  2N7002  [SOT-23]  216.55 304.5 0 top
Q878  2N7002  [SOT-23]  224.55 296.5 0 top
Q879  2N7002  [SOT-23]  220.55 296.5 0 top
Q880  2N7002  [SOT-23]  216.55 296.5 0 top
Q881  2N7002  [SOT-23]  220.55 292.5 0 top
Q882  2N7002  [SOT-23]  216.55 292.5 0 top
Q883  2N7002  [SOT-23]  224.55 191.6 0 top
Q884  2N7002  [SOT-23]  220.65 199.55 0 top
Q885  2N7002  [SOT-23]  220.65 187.6 0 top
Q886  2N7002  [SOT-23]  224.55 195.5 0 top
Q887  2N7002  [SOT-23]  220.65 195.6 0 top
Q888  2N7002  [SOT-23]  220.65 191.6 0 top
Q889  2N7002  [SOT-23]  216.65 199.55 0 top
Q890  2N7002  [SOT-23]  216.65 187.6 0 top
Q891  2N7002  [SOT-23]  216.65 195.55 0 top
Q892  2N7002  [SOT-23]  216.65 191.6 0 top
Q893  2N7002  [SOT-23]  220.6 203.54 0 top
Q894  2N7002  [SOT-23]  220.6 219.54 0 top
Q895  2N7002  [SOT-23]  216.6 203.54 0 top
Q896  2N7002  [SOT-23]  216.6 219.54 0 top
Q897  2N7002-2  [SOT-23]  216.6 227.54 0 top
Q898  2N7002  [SOT-23]  220.6 207.54 0 top
Q899  2N7002  [SOT-23]  220.6 223.54 0 top
Q900  2N7002  [SOT-23]  216.6 207.54 0 top
Q901  2N7002  [SOT-23]  216.6 223.54 0 top
Q902  2N7002  [SOT-23]  224.6 215.54 0 top
Q903  2N7002  [SOT-23]  220.6 215.54 0 top
Q904  2N7002  [SOT-23]  216.6 215.54 0 top
Q905  2N7002  [SOT-23]  220.6 211.54 0 top
Q906  2N7002  [SOT-23]  216.6 211.54 0 top
Q907  2N7002  [SOT-23]  220.55 248.4 0 top
Q908  2N7002  [SOT-23]  216.55 248.4 0 top
Q909  2N7002  [SOT-23]  220.55 244.4 0 top
Q910  2N7002  [SOT-23]  220.55 240.4 0 top
Q911  2N7002  [SOT-23]  220.55 236.4 0 top
Q912  2N7002  [SOT-23]  224.55 236.4 0 top
Q913  2N7002-2  [SOT-23]  216.55 244.4 0 top
Q914  2N7002-2  [SOT-23]  216.55 240.4 0 top
Q915  2N7002-2  [SOT-23]  216.55 236.4 0 top
Q916  2N7002  [SOT-23]  220.55 232.4 0 top
Q917  2N7002-2  [SOT-23]  216.55 232.4 0 top
Q918  2N7002  [SOT-23]  220.53 252.24 0 top
Q919  2N7002  [SOT-23]  220.53 268.24 0 top
Q920  2N7002  [SOT-23]  216.53 252.24 0 top
Q921  2N7002  [SOT-23]  216.53 268.24 0 top
Q922  2N7002-2  [SOT-23]  216.53 276.24 0 top
Q923  2N7002  [SOT-23]  220.53 256.24 0 top
Q924  2N7002  [SOT-23]  220.53 272.24 0 top
Q925  2N7002  [SOT-23]  216.53 256.24 0 top
Q926  2N7002  [SOT-23]  216.53 272.24 0 top
Q927  2N7002  [SOT-23]  224.53 264.24 0 top
Q928  2N7002  [SOT-23]  220.53 264.24 0 top
Q929  2N7002  [SOT-23]  216.53 264.24 0 top
Q930  2N7002  [SOT-23]  220.53 260.24 0 top
Q931  2N7002  [SOT-23]  216.53 260.24 0 top
Q932  2N7002  [SOT-23]  212.45 126.63 0 top
Q933  2N7002  [SOT-23]  208.45 126.63 0 top
Q934  2N7002  [SOT-23]  220.71 158.76 0 top
Q935  2N7002  [SOT-23]  220.71 174.76 0 top
Q936  2N7002  [SOT-23]  216.71 158.76 0 top
Q937  2N7002  [SOT-23]  216.71 174.76 0 top
Q938  2N7002-2  [SOT-23]  216.71 182.76 0 top
Q939  2N7002  [SOT-23]  220.71 162.76 0 top
Q940  2N7002  [SOT-23]  220.71 178.76 0 top
Q941  2N7002  [SOT-23]  216.71 162.76 0 top
Q942  2N7002  [SOT-23]  216.71 178.76 0 top
Q943  2N7002  [SOT-23]  224.71 170.76 0 top
Q944  2N7002  [SOT-23]  220.71 170.76 0 top
Q945  2N7002  [SOT-23]  216.71 170.76 0 top
Q946  2N7002  [SOT-23]  220.71 166.76 0 top
Q947  2N7002  [SOT-23]  216.71 166.76 0 top
Q948  2N7002-2  [SOT-23]  243.75 154.8 0 top
Q949  2N7002-2  [SOT-23]  239.75 154.8 0 top
Q950  2N7002  [SOT-23]  243.55 280.5 0 top
Q951  2N7002  [SOT-23]  239.55 280.5 0 top
Q952  2N7002  [SOT-23]  243.55 284.5 0 top
Q953  2N7002  [SOT-23]  243.55 300.5 0 top
Q954  2N7002  [SOT-23]  239.55 284.5 0 top
Q955  2N7002  [SOT-23]  239.55 300.5 0 top
Q956  2N7002-2  [SOT-23]  239.55 308.5 0 top
Q957  2N7002  [SOT-23]  243.55 288.5 0 top
Q958  2N7002  [SOT-23]  243.55 304.5 0 top
Q959  2N7002  [SOT-23]  239.55 288.5 0 top
Q960  2N7002  [SOT-23]  239.55 304.5 0 top
Q961  2N7002  [SOT-23]  247.55 296.5 0 top
Q962  2N7002  [SOT-23]  243.55 296.5 0 top
Q963  2N7002  [SOT-23]  239.55 296.5 0 top
Q964  2N7002  [SOT-23]  243.55 292.5 0 top
Q965  2N7002  [SOT-23]  239.55 292.5 0 top
Q966  2N7002  [SOT-23]  247.55 191.6 0 top
Q967  2N7002  [SOT-23]  243.65 199.55 0 top
Q968  2N7002  [SOT-23]  243.65 187.6 0 top
Q969  2N7002  [SOT-23]  247.55 195.5 0 top
Q970  2N7002  [SOT-23]  243.65 195.6 0 top
Q971  2N7002  [SOT-23]  243.65 191.6 0 top
Q972  2N7002  [SOT-23]  239.65 199.55 0 top
Q973  2N7002  [SOT-23]  239.65 187.6 0 top
Q974  2N7002  [SOT-23]  239.65 195.55 0 top
Q975  2N7002  [SOT-23]  239.65 191.6 0 top
Q976  2N7002  [SOT-23]  243.6 203.54 0 top
Q977  2N7002  [SOT-23]  243.6 219.54 0 top
Q978  2N7002  [SOT-23]  239.6 203.54 0 top
Q979  2N7002  [SOT-23]  239.6 219.54 0 top
Q980  2N7002-2  [SOT-23]  239.6 227.54 0 top
Q981  2N7002  [SOT-23]  243.6 207.54 0 top
Q982  2N7002  [SOT-23]  243.6 223.54 0 top
Q983  2N7002  [SOT-23]  239.6 207.54 0 top
Q984  2N7002  [SOT-23]  239.6 223.54 0 top
Q985  2N7002  [SOT-23]  247.6 215.54 0 top
Q986  2N7002  [SOT-23]  243.6 215.54 0 top
Q987  2N7002  [SOT-23]  239.6 215.54 0 top
Q988  2N7002  [SOT-23]  243.6 211.54 0 top
Q989  2N7002  [SOT-23]  239.6 211.54 0 top
Q990  2N7002  [SOT-23]  243.55 248.4 0 top
Q991  2N7002  [SOT-23]  239.55 248.4 0 top
Q992  2N7002  [SOT-23]  243.55 244.4 0 top
Q993  2N7002  [SOT-23]  243.55 240.4 0 top
Q994  2N7002  [SOT-23]  243.55 236.4 0 top
Q995  2N7002  [SOT-23]  247.55 236.4 0 top
Q996  2N7002-2  [SOT-23]  239.55 244.4 0 top
Q997  2N7002-2  [SOT-23]  239.55 240.4 0 top
Q998  2N7002-2  [SOT-23]  239.55 236.4 0 top
Q999  2N7002  [SOT-23]  243.55 232.4 0 top
Q1000  2N7002-2  [SOT-23]  239.55 232.4 0 top
Q1001  2N7002  [SOT-23]  243.53 252.24 0 top
Q1002  2N7002  [SOT-23]  243.53 268.24 0 top
Q1003  2N7002  [SOT-23]  239.53 252.24 0 top
Q1004  2N7002  [SOT-23]  239.53 268.24 0 top
Q1005  2N7002-2  [SOT-23]  239.53 276.24 0 top
Q1006  2N7002  [SOT-23]  243.53 256.24 0 top
Q1007  2N7002  [SOT-23]  243.53 272.24 0 top
Q1008  2N7002  [SOT-23]  239.53 256.24 0 top
Q1009  2N7002  [SOT-23]  239.53 272.24 0 top
Q1010  2N7002  [SOT-23]  247.53 264.24 0 top
